# Altium PCB COPY_HIVE_BOARD.PcbDoc (part 3 of 9)
Units mm, origin at the board's own origin, x right, y up, seen from the top; angles counter-clockwise.
Board outline 110 x 110 mm, 8 copper layers (Top, GND_1, Signal_1, GND_2, PWR, Signal_2, GND_3, Bottom), stack 1.6 mm thick; 674 components, 473 nets, 2528 pads, 2100 vias.
Unrouted connection lines stored in the file: 14.
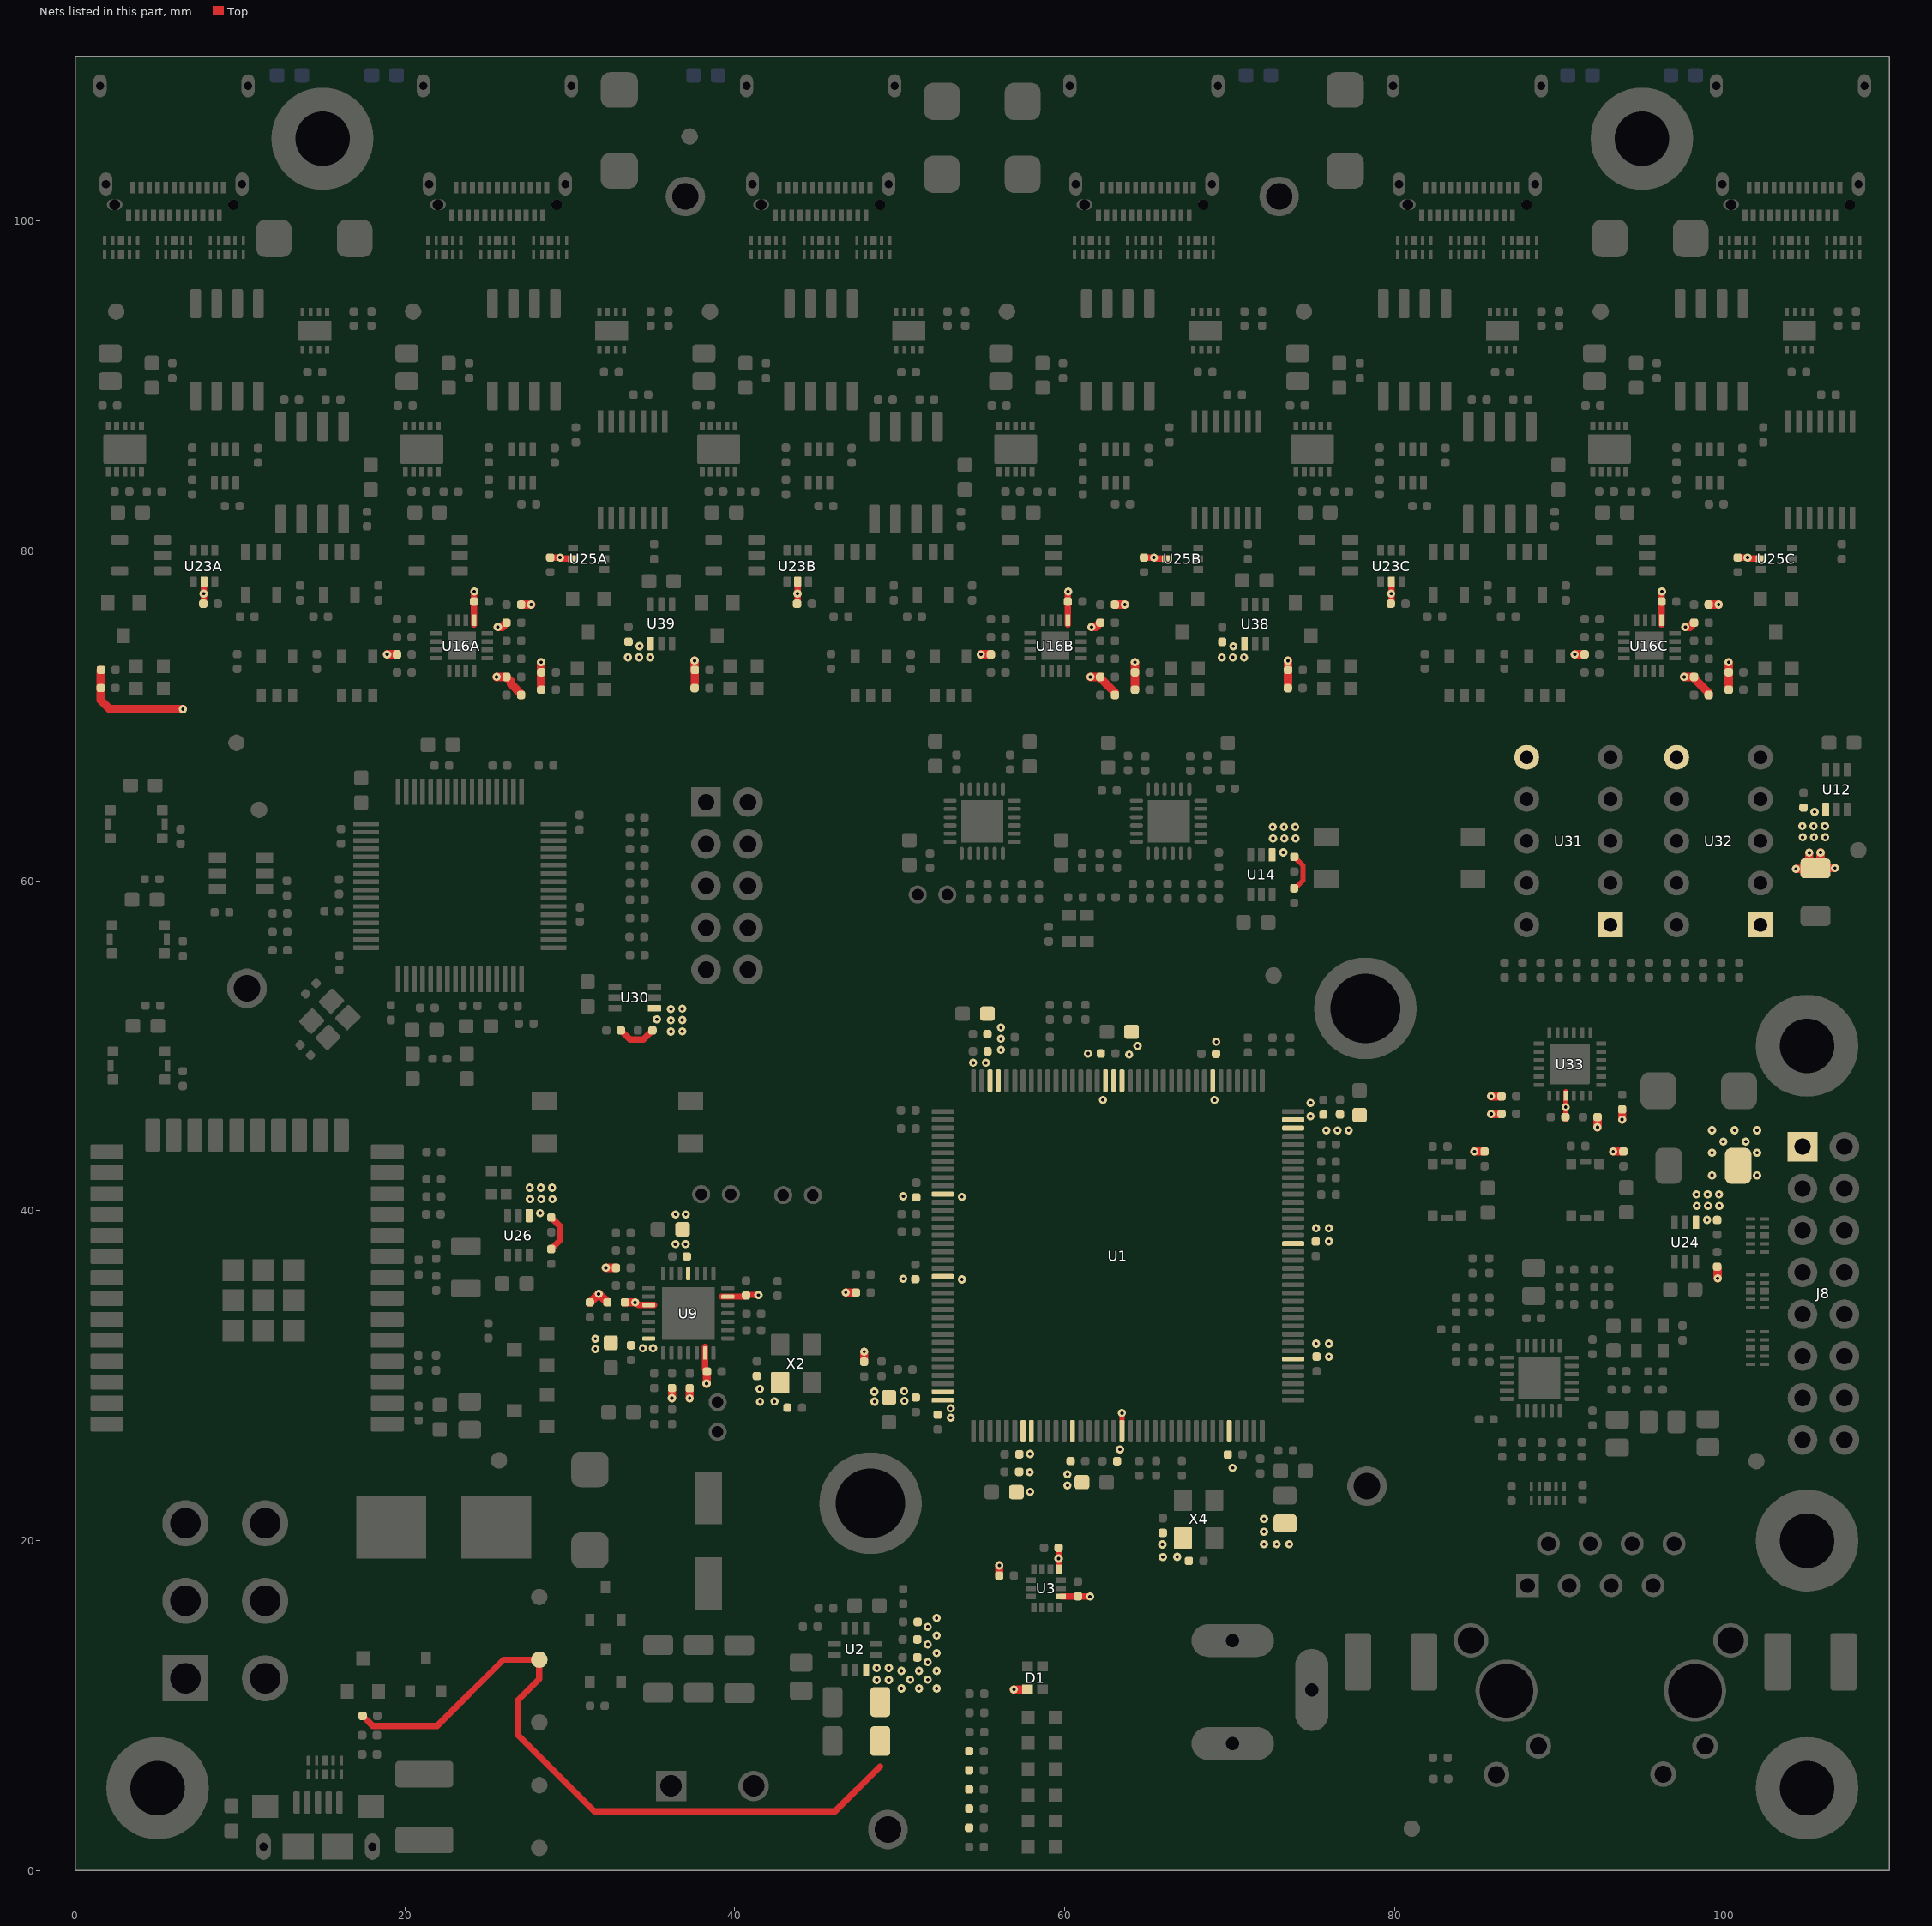
[diagram p9: the nets of this part, all layers, seen from the top]

## Footprints (in the part's own frame and the unit in brackets; to place one, negate y for a bottom-side part, rotate by r counter-clockwise, add the part's x,y. Pads: shape width x height; smd on the part's side, far side on the other; paste and mask are expansions set on the pad) (continued)
POW_NIS6150MT1TXG [mm] "SON, 10-Leads, Body 3.00x3.00mm, Pitch 0.50mm, Thermal Pad 2.00x1.20mm, IPC Medium Density"
  rrect20% 0.54x0.3 smd paste-0.025 mask+0.048: 1(-1.385,1) 2(-1.385,0.5) 3(-1.385,0) 4(-1.385,-0.5) 5(-1.385,-1) 6(1.385,-1) 7(1.385,-0.5) 8(1.385,0) 9(1.385,0.5) 10(1.385,1)
  rrect10% 1.8x2.6 smd paste-2 mask+0.05: 11(0,0)
  silkscreen extent -1.9,-1.64 1.63,1.64, body extent -1.55,-1.55 1.55,1.55, height 0.8
REG_SWR_RPL-3.0-CT [mm]
  rect 0.75x0.35 smd paste-0.025 mask+0.07: 1(-1.25,0.325) 2(-1.25,-0.325) 6(1.25,-0.325) 7(1.25,0.325)
  rect 0.35x0.75 smd paste-0.025 mask+0.07: 3(-0.65,-1.25) 4(0,-1.25) 5(0.65,-1.25) 8(0.65,1.25) 9(0,1.25) 10(-0.65,1.25)
  silkscreen extent -1.94,-1.62 1.63,1.63, body extent -1.55,-1.55 1.55,1.55, height 1.5
RES_0402 [mil] "Resistor - 0402"
  rrect60% 20x20 smd paste+0 mask+1.97: 1(-17.5,0) 2(17.5,0)
  silkscreen extent -34,-17 34,17, body extent -20,-10 20,10, height 13
RES_0603 [mil] "Resistor - 0603"
  rrect35% 35x34 smd paste+0 mask+1.97: 1(-29.5,0) 2(29.5,0)
  silkscreen extent -54,-24 54,24, body extent -31,-16 32,16, height 17
SEN_IMU_LSM6DSMTR [mm]
  rect 0.575x0.35 smd paste-0.025 mask+0.022: 1(1.162,-0.75) 2(1.162,-0.25) 3(1.162,0.25) 4(1.162,0.75) 8(-1.163,0.75) 9(-1.163,0.25) 10(-1.163,-0.25) 11(-1.163,-0.75)
  rect 0.35x0.575 smd paste-0.025 mask+0.022: 5(0.5,0.913) 6(0,0.913) 7(-0.5,0.913) 12(-0.5,-0.913) 13(0,-0.913) 14(0.5,-0.913)
  silkscreen extent -1.55,-1.27 1.85,1.28, body extent -1.5,-1.25 1.5,1.25, height 0.86
SWI_500SDP1S1M2QEA [mm]
  rect 2.8x2.8 hole 1.85: 1(-4.7,2.415)
  round 2.8 hole 1.85: 2(0,2.415) 3(4.7,2.415) 4(-4.7,-2.415) 5(0,-2.415) 6(4.7,-2.415)
  silkscreen extent -6.45,-5.82 6.45,6.35, body extent -6.35,-5.71 6.35,5.72, height 14.2
SWI_A6S-2104-H [mm] "SOP, 4-Leads, Body 6,02x6,20mm, Pitch 2,54mm, IPC Medium Density"
  rect 1.5x1.1 smd paste-0.025 mask+0.07: 1(-4.45,1.27) 2(-4.45,-1.27) 3(4.45,-1.27) 4(4.45,1.27)
  silkscreen extent -4.55,-3.1 3.3,3.1, body extent -4.9,-3.1 4.9,3.1, height 3.7
SWI_TACT_435171014816 [mm]
  rrect20% 0.65x0.6 smd paste+0 mask+0.05: 1(-1.575,0.85) 2(1.575,0.85) 3(-1.575,-0.85) 4(1.575,-0.85)
  rrect20% 0.35x0.7 smd paste+0 mask+0.05: 5(-1.725,0) 6(1.725,0)
  silkscreen extent -1.73,-1.55 1.73,1.55, body extent -1.65,-1.45 1.65,1.45, height 1.4
THE_HS_ATS-CPX025025015-138-C2-R0_NOMH [mm] "25x25x15mm Heatsink"
  body extent -18.99,-18.99 18.99,18.99, height 17.1
TIM_FAN_SI53342-B-GM [mm] "QFN24"
  oval 0.8x0.25 smd paste+0 mask+0.07: 1(-1.95,1.25) 2(-1.95,0.75) 3(-1.95,0.25) 4(-1.95,-0.25) 5(-1.95,-0.75) 6(-1.95,-1.25) 13(1.95,-1.25) 14(1.95,-0.75) 15(1.95,-0.25) 16(1.95,0.25) 17(1.95,0.75) 18(1.95,1.25)
  oval 0.25x0.8 smd paste+0 mask+0.07: 7(-1.25,-1.95) 8(-0.75,-1.95) 9(-0.25,-1.95) 10(0.25,-1.95) 11(0.75,-1.95) 12(1.25,-1.95) 19(1.25,1.95) 20(0.75,1.95) 21(0.25,1.95) 22(-0.25,1.95) 23(-0.75,1.95) 24(-1.25,1.95)
  rect 2.55x2.55 smd paste-2.55 mask+0.05: 25(0,0)
  silkscreen extent -2.78,-2.2 2.2,2.2, body extent -2.05,-2.05 2.05,2.05, height 0.9
TPO_5011 [mm]
  round 2.4 hole 1.6: 1(0,0)
  silkscreen extent -1.67,-1.68 1.68,1.68, body extent -1.59,-1.59 1.59,1.59, height 8.13
TPO_SMD_ROUND_1MM [mm] "Test Point - SMD ROUND PAD ONLY"
  round 1 smd paste-2 mask+0.07: 1(0,0)
  silkscreen extent -0.7,-0.7 0.7,0.7, body extent -0.4,-0.4 0.4,0.4
TPO_TH_ROUND_0.7mm_DOUBLE [mm] "Double via TP"
  round 1.1 hole 0.7 mask+0.07: 1(-0.9,0) 2(0.9,0)
  silkscreen extent -1.7,-0.8 1.7,0.8
TRX_NMOS_BSS138LT1G [mm] "SOT23, 3-Leads, Body 2,92x2,37mm, Pitch 0,85mm, IPC Medium Density"
  rect 0.9x0.8 smd paste-0.025 mask+0.07: 1(-1,0.95) 2(-1,-0.95) 3(1,0)
  silkscreen extent -0.3,-1.6 0.8,1.6, body extent -1.32,-1.52 1.32,1.52, height 1.11
TRX_PMOS_SI2369DS-T1-GE3 [mm]
  rect 0.724x0.559 smd paste-0.025 mask+0.07: 1(-0.984,0.95) 2(-0.984,-0.95) 3(0.984,0)
  silkscreen extent -1.11,-1.63 0.81,1.9, body extent -1.32,-1.52 1.32,1.52, height 1.12
TVS_DATA_DT1140-04LP-7 [mm] "SON, 10-Leads, Body 2,51x1,01mm, Pitch 0,50mm, IPC Medium Density"
  rrect30% 0.565x0.2 smd paste+0 mask+0.05: 1(-0.417,1) 2(-0.417,0.5) 4(-0.417,-0.5) 5(-0.417,-1) 6(0.417,-1) 7(0.417,-0.5) 9(0.417,0.5) 10(0.417,1)
  rrect16% 0.565x0.4 smd paste-4 mask+0.05: 3(-0.417,0) 8(0.417,0)
  silkscreen extent -0.95,-1.4 0.54,1.45, body extent -0.57,-1.29 0.57,1.29, height 0.61
TVS_POW_SMLVT3V3 [mm] "Molded Diode, 2-Leads, Body 4,40x3,62mm, IPC Medium Density"
  rrect50% 1.62x2.18 smd paste-0.025 mask+0.07: A(2.11,0) K(-2.11,0)
  silkscreen extent -2.5,-2.18 2.5,2.18, body extent -2.6,-1.97 2.6,1.97, height 2.61
TVS_PWR_SMBJ5.0CA [mm] "Molded Diode, 2-Leads, Body 4,40x3,62mm, IPC Medium Density"
  rrect50% 2.16x2.26 smd paste-0.025 mask+0.07: 1(-2.45,0) 2(2.45,0)
  silkscreen extent -2.5,-2.1 2.5,2.1, body extent -2.6,-1.97 2.6,1.97, height 2.61
USB_USB2412-DZK [mm] "QFN 28(5x5)"
  rrect50% 0.8x0.25 smd paste-0.025 mask+0.05: 1(-2.4,1.524) 2(-2.4,1.016) 3(-2.4,0.508) 4(-2.4,0) 5(-2.4,-0.508) 6(-2.4,-1.016) 7(-2.4,-1.524) 15(2.4,-1.524) 16(2.4,-1.016) 17(2.4,-0.508) 18(2.4,0) 19(2.4,0.508) 20(2.4,1.016) 21(2.4,1.524)
  rrect50% 0.25x0.8 smd paste-0.025 mask+0.05: 8(-1.524,-2.4) 9(-1.016,-2.4) 10(-0.508,-2.4) 11(0,-2.4) 12(0.508,-2.4) 13(1.016,-2.4) 14(1.524,-2.4) 22(1.524,2.4) 23(1.016,2.4) 24(0.508,2.4) 25(0,2.4) 26(-0.508,2.4) 27(-1.016,2.4) 28(-1.524,2.4)
  rect 3.2x3.2 smd paste-1.587 mask+0.07: 29(0,0)
  silkscreen extent -3.05,-2.6 2.6,2.6, body extent -2.55,-2.55 2.55,2.55, height 1.4

## Part data
C1 C2 C3 C5 C7 C8 C9 C10 C12 C13 C14 C15 C16 C17 C18 C19 C23 C24 C25 C27 C34 C39 C40 C42 C43 C44 C45 C46 C47 C48 C49 C51 C53 C55 C57 C58 C64 C65 C69 C70 C71 C72 C77 C78 C79 C80 C82 C84 C94 C95 C96 C97 C104 C106 C110A C110B C110C C113A C113B C113C C117A C117B C117C C120A C120B C120C C124A C124B C124C C128A C128B C128C C129 C130 C133A C133B C133C C135 C136 C140A C140B C140C C142 C150A C150B C150C C151A C151B C151C C152 C154: library part CAP_CER_CGA2B3X7R1E104K050BB, "CAP - CER 0.1µF 10% 25V X7R - 0402", Manufacturer #1="TDK Corporation", Package=0402, Supplier Part Number 1=445-6902-1-ND, Temperature="-55°C ~ 125°C", Tolerance=10%, Voltage Rating=25V, Assembly Type=SMD, CreatedBy/Date="Nicolas Roy 2018-11-07", Cryo=UNKNOWN, GRAMS Lib Spec=2.8, HelpURL=https://product.tdk.com/info/en/catalog/datasheets/mlcc_automotive_general_en.pdf, Magnetic Material=Unknown, Part Number #1=CGA2B3X7R1E104K050BB, Polarized=NO, Supplier 1=Digi-Key, VerifiedBy="Nicolas V. (2019-01-22)"
C4 C6 C30 C37 C38 C54 C63 C68 C86 C87 C90 C91 C100 C105 C107 C131 C132 C143 C144: library part CAP_CER_C0603C105K8PACTU, "CAP - CER 1uF 10V 10% X5R - 0603", Manufacturer #1=KEMET, Package=0603, Supplier Part Number 1=399-3118-1-ND, Temperature="-55°C ~ 85°C", Tolerance=10%, Voltage Rating=10V, Assembly Type=SMD, CreatedBy/Date="Hubert Dube - 21/07/20", Cryo=UNKNOWN, GRAMS Lib Spec=2.8, HelpURL=https://content.kemet.com/datasheets/KEM_C1006_X5R_SMD.pdf, Magnetic Material=Unknown, Part Number #1=C0603C105K8PACTU, Polarized=NO, Supplier 1=Digi-Key, VerifiedBy="Louis-Daniel Gaulin - 21/07/20"
C11 C20 C21 C22 C81 C83 C123: library part CAP_CER_CL10A475MA8NQNC, "CAP - CER 4.7µF 20% 25V X5R - 0603", Manufacturer #1="Samsung Electro-Mechanics", Package=0603, Supplier Part Number 1=1276-1903-1-ND, Temperature="-55°C ~ 85°C", Tolerance=20%, Voltage Rating=25V, Assembly Type=SMD, CreatedBy/Date="Nicolas Roy 2018-11-21", Cryo=UNKNOWN, GRAMS Lib Spec=2.8, HelpURL=http://www.samsungsem.com/kr/support/product-search/mlcc/__icsFiles/afieldfile/2018/06/20/CL10A475MA8NQNC.pdf, Magnetic Material=Unknown, Part Number #1=CL10A475MA8NQNC, Polarized=NO, Supplier 1=Digi-Key, VerifiedBy="Nicolas V. (2019-01-22)"
C26: library part CAP_CER_CL05C390JB51PNC, "CAP - CER 39 pF 5% 50V COG/NP0 - 0402", Manufacturer #1="Samsung Electro-Mechanics", Package=0402, Supplier Part Number 1=1276-6863-1-ND, Temperature="-55°C ~ 125°C", Tolerance=5%, Voltage Rating=50V, Assembly Type=SMD, CreatedBy/Date="Louis-Daniel Gaulin / 11-04-2021", Cryo=UNKNOWN, GRAMS Lib Spec=2.8, HelpURL=https://www.samsungsem.com/resources/file/global/support/product_catalog/MLCC.pdf, Magnetic Material=Unknown, Part Number #1=CL05C390JB51PNC, Polarized=NO, Supplier 1=Digi-Key, VerifiedBy="Philippe Arsenault/2021-04-14"
C28 C29 C31: library part CAP_CER_C1005X5R1V225K050BC, "CAP - CER 2.2µF 10% 35V X5R - 0402", Manufacturer #1="TDK Corporation", Package=0402, Supplier Part Number 1=445-9028-1-ND, Temperature="-55°C ~ 85°C", Tolerance=10%, Voltage Rating=35V, Assembly Type=SMD, CreatedBy/Date="Nicolas Roy 2018-10-17", Cryo=UNKNOWN, GRAMS Lib Spec=2.8, HelpURL=https://product.tdk.com/info/en/catalog/datasheets/mlcc_commercial_general_en.pdf, Magnetic Material=Unknown, Part Number #1=C1005X5R1V225K050BC, Polarized=NO, Supplier 1=Digi-Key, VerifiedBy="Caroline Paulin - 18 janv 2018"
C32 C33 C36 C76 C85 C148: library part CAP_CER_CL31A226KAHNNNE, "CAP - CER 22uF 10% 25V X5R - 1206", Manufacturer #1="Samsung Electro-Mechanics", Package=1206, Part Number #2=1276-3047-1-ND, Temperature="-55°C ~ 85°C", Tolerance=10%, Voltage Rating=25V, Assembly Type=SMD, CreatedBy/Date="Philippe Arsenault/21 Janvier 2020", Cryo=UNKNOWN, GRAMS Lib Spec=2.8, HelpURL=http://www.samsungsem.com/global/support/product-search/mlcc/1207445_4880.html, Magnetic Material=Unknown, Part Number #1=CL31A226KAHNNNE, Polarized=NO, Supplier 1=Digi-Key, Supplier Part Number 1=1276-3047-1-ND, VerifiedBy="C.Paulin - 28/01/2020"
C35 C50 C52 C59 C62 C127A C127B C127C C141A C141B C141C: library part CAP_CER_LMK212BJ106KG-T, "CAP - CER 10UF 10% 10V X5R - 0805", Manufacturer #1="Taiyo Yuden", Package=0805, Supplier Part Number 1=587-1300-1-ND, Temperature="-55°C ~ 85°C", Tolerance=10%, Voltage Rating=10V, Assembly Type=SMD, CreatedBy/Date="Caroline Paulin / 25 juillet 2018", Cryo=UNKNOWN, GRAMS Lib Spec=2.8, HelpURL=https://www.yuden.co.jp/productdata/catalog/mlcc_all_e.pdf, Magnetic Material=Unknown, Part Number #1=LMK212BJ106KG-T, Polarized=NO, Supplier 1=Digi-Key, VerifiedBy="Nicolas V. (2019-01-22)"
C41 C111A C111B C111C C112 C114A C114B C114C C116 C121A C121B C121C C134 C137 C138 C139A C139B C139C C145A C145B C145C C153 C155: library part CAP_CER_CL10A475KP8NNNC, "4.7µF ±10% 10V Ceramic Capacitor X5R 0603", Manufacturer #1="Samsung Electro-Mechanics", Package=0603, Supplier Part Number 1=1276-1044-1-ND, Temperature="-55°C ~ 85°C", Tolerance=10%, Voltage Rating=10V, Assembly Type=SMD, CreatedBy/Date="Hubert Dube - 25/02/2021", Cryo=UNKNOWN, GRAMS Lib Spec=2.8, HelpURL=https://www.samsungsem.com/resources/file/global/support/product_catalog/MLCC.pdf, Magnetic Material=Unknown, Part Number #1=CL10A475KP8NNNC, Polarized=No, Supplier 1=Digi-Key, VerifiedBy="Philippe Arsenault/2021-03-14"
C56: library part CAP_CER_CC0402KRX7R9BB471, "CAP - CER 470pF 10% 50V X7R - 0402", Manufacturer #1=Yageo, Package=0402, Supplier Part Number 1=311-1028-1-ND, Temperature="-55°C ~ 125°C", Tolerance=10%, Voltage Rating=50V, Assembly Type=SMD, CreatedBy/Date="Nicolas Roy 2018-10-17", Cryo=UNKNOWN, GRAMS Lib Spec=2.8, HelpURL=http://www.yageo.com/documents/recent/UPY-GPHC_X7R_6.3V-to-50V_18.pdf, Magnetic Material=Unknown, Part Number #1=CC0402KRX7R9BB471, Polarized=NO, Supplier 1=Digi-Key, VerifiedBy="Caroline Paulin - 18 janv 2019"
C60 C61 C149: library part CAP_CER_885342211009, "CAP - CER 1000pF ±10% 3000V X7R", Manufacturer #1="Würth Elektronik", Package=1812, Supplier Part Number 1=732-12109-1-ND, Temperature="-55°C ~ 125°C", Tolerance=10%, Voltage Rating=3kV, Assembly Type=SMD, CreatedBy/Date="Hubert Dube - 03/02/2021", Cryo=UNKNOWN, GRAMS Lib Spec=2.8, HelpURL=https://www.we-online.de/katalog/datasheet/885342211009.pdf, Magnetic Material=Unknown, Part Number #1=885342211009, Polarized=No, Supplier 1=Digi-Key, VerifiedBy="Philippe Asenault - 08-02-2021"
  C149: Assembly Note=DNI
C66 C67: library part CAP_CER_CC0402DRNPO9BN8R0, "CAP - CER 8PF 50V C0G/NP0 - 0402", Manufacturer #1=Yageo, Package=0402, Supplier Part Number 1=311-1639-1-ND, Temperature="-55°C ~ 125°C", Tolerance=±0.5pF, Voltage Rating=50V, Assembly Type=SMD, CreatedBy/Date="Hubert Dube - 04/10/20", Cryo=UNKNOWN, GRAMS Lib Spec=2.8, HelpURL=https://www.yageo.com/upload/media/product/productsearch/datasheet/mlcc/UPY-GP_NP0_16V-to-50V_18.pdf, Magnetic Material=Unknown, Part Number #1=CC0402DRNPO9BN8R0, Polarized=NO, Supplier 1=Digi-Key, VerifiedBy="Louis-Daniel Gaulin - 09/11/2020"
C73: library part CAP_CER_C1608X5R1C335K080AC, "CAP - CER 3.3µF ±10% 16V Ceramic Capacitor X5R 0603 (1608 Metric)", Manufacturer #1="TDK Corporation", Package=0603, Supplier Part Number 1=445-7476-1-ND, Temperature="-55°C ~ 85°C", Tolerance=10%, Voltage Rating=16V, Assembly Type=SMD, CreatedBy/Date="Hubert Dube - 16/03/2021", Cryo=UNKNOWN, GRAMS Lib Spec=2.8, HelpURL=https://product.tdk.com/en/system/files?file=dam/doc/product/capacitor/ceramic/mlcc/catalog/mlcc_commercial_general_en.pdf, Magnetic Material=Unknown, Part Number #1=C1608X5R1C335K080AC, Polarized=No, Supplier 1=Digi-Key, VerifiedBy="Philippe Arsenault - 2021/03/16"
C74 C75: library part CAP_CER_CC0402JRNPO9BN120, "CAP - CER 12pF 50V ±5% C0G, NP0 - 0402", Manufacturer #1=Yageo, Package=0402, Supplier Part Number 1=311-1016-1-ND, Temperature="-55°C ~ 125°C", Tolerance=±5%, Voltage Rating=50V, Assembly Type=SMD, CreatedBy/Date="Philippe Arsenault/ 2020-07-24", Cryo=UNKNOWN, GRAMS Lib Spec=2.8, HelpURL=https://www.yageo.com/upload/media/product/productsearch/datasheet/mlcc/UPY-GP_NP0_16V-to-50V_18.pdf, Magnetic Material=Unknown, Part Number #1=CC0402JRNPO9BN120, Polarized=NO, Supplier 1=Digi-Key, VerifiedBy="Louis-Daniel Gaulin / 2020-07-29"
C88 C89 C98 C99 C102 C103 C108A C108B C108C C125A C125B C125C: library part CAP_CER_GRM155R71E473KA88J, "CAP - CER 47nF 25V X7R - 0402", Manufacturer #1=MURATA, Package=0402, Supplier Part Number 1=490-6347-1-ND, Temperature="-55°C ~ 125°C", Tolerance=10%, Voltage Rating=25V, Assembly Type=SMD, CreatedBy/Date="P. Marcoux 2020-02-05", Cryo=UNKNOWN, GRAMS Lib Spec=2.8c, HelpURL=https://ds.murata.co.jp/simsurfing/mlcc.html?partnumbers=%5B%22GRM155R71E473KA88%22%5D&oripartnumbers=%5B%22GRM155R71E473KA88J%22%5D&rgear=jomoqke&rgearinfo=ca, Magnetic Material=Unknown, Part Number #1=GRM155R71E473KA88J, Polarized=No, Supplier 1=Digi-Key, VerifiedBy="C.Paulin - 22/04/2020"
C92 C93 C101 C109A C109B C109C C126A C126B C126C: library part CAP_CER_CL05B472KB5VPNC, "CAP - CER 4700PF 50V X7R 0402", Manufacturer #1="Samsung Electro-Mechanics", Package=0402, Supplier Part Number 1=1276-6576-1-ND, Temperature="-55°C ~ 125°C", Tolerance=±10%, Voltage Rating=50V, Assembly Type=SMD, CreatedBy/Date="Philippe Arsenault/ 2021-03-26", Cryo=UNKNOWN, GRAMS Lib Spec=2.8, HelpURL=https://www.samsungsem.com/resources/file/global/support/product_catalog/MLCC.pdf, Magnetic Material=Unknown, Part Number #1=CL05B472KB5VPNC, Polarized=NO, Supplier 1=Digi-Key
C115A C115B C115C C118A C118B C118C C119A C119B C119C C122A C122B C122C C146A C146B C146C: library part CAP_CER_JMK105B7474KVHF, "CAP - CER 470nF 6.3V X7R - 0402", Manufacturer #1="Taiyo Yuden", Package=0402, Supplier Part Number 1=587-3765-1-ND, Temperature="-55°C ~ 125°C", Tolerance=10%, Voltage Rating=6.3V, Assembly Type=SMD, CreatedBy/Date="Nicolas (2019-06-21)", Cryo=UNKNOWN, GRAMS Lib Spec=2.8, HelpURL=https://ds.yuden.co.jp/TYCOMPAS/ut/detail?pn=JMK105B7474KVHF%20&u=M, Magnetic Material=UNKNOWN, Part Number #1=JMK105B7474KVHF, Polarized=NO, Supplier 1=Digi-Key, VerifiedBy="Nicolas V. (2019-06-21)"
C147: library part CAP_POLY_APXG160ARA221MF80G, "CAP - POLY 220uF 20% 16V - SMD 6.3mm D x 8mm H", Current Rating=3.3A, Manufacturer #1="United Chemi-Con", Package="Radial, Can - SMD", Supplier Part Number 1=565-4283-1-ND, Temperature="-55°C ~ 105°C", Tolerance=20%, Voltage Rating=16V, Assembly Type=SMD, CreatedBy/Date="Joel Lemay 2018-08-21", Cryo=UNKNOWN, GRAMS Lib Spec=2.8, HelpURL=http://www.chemi-con.co.jp/cgi-bin/CAT_DB/SEARCH/cat_db_al.cgi?e=e&j=p&pdfname=pxg, Magnetic Material=Unknown, Part Number #1=APXG160ARA221MF80G, Polarized=Yes, Supplier 1=Digi-Key, VerifiedBy="Caroline Paulin - 7 sept 2018"
D1 D13: library part DIO_EAST1616RGBA3, "DIO - Red, Green, Blue LED Indication - Discrete 1.95V Red, 2.8V Green, 2.8V Blue 0606 (1616 Metric)", Current Rating=60mA, Manufacturer #1="Everlight Electronics Co Ltd", Package="4-SMD, No Lead", Power Max=60mW, Supplier Part Number 1=1080-1550-1-ND, Temperature="-40 ~ +85℃", Tolerance=±50ppm, Voltage Rating="1.8 to 3.3V", Assembly Type=SMD, CreatedBy/Date="Hubert Dube - 26/02/2021", Cryo=UNKNOWN, GRAMS Lib Spec=2.8, HelpURL=https://everlightamericas.com/index.php?controller=attachment&id_attachment=1010, Magnetic Material=Unknown, Part Number #1=EAST1616RGBA3, Polarized=Yes, Supplier 1=Digi-Key, VerifiedBy="PA + Hubert Dube - 19/03/2021"
D2 D5: library part DIO_ZENER_BZX84-B4V3,215, "DIO - ZENER 4.3V 250mW - SOT-23", Current Rating="200mA foward", Manufacturer #1="Nexperia USA Inc.", Manufacturer #2=-, Package=SOT-23, Power Max=250mW, Supplier Part Number 1=1727-1669-1-ND, Temperature="-65°C ~ 150°C", Tolerance=2%, Voltage Rating=4.3V, Assembly Type=SMD, CreatedBy/Date="Louis-Daniel Gaulin / 29-03-2021", Cryo=UNKNOWN, GRAMS Lib Spec=2.8c, HelpURL=https://assets.nexperia.com/documents/data-sheet/BZX84_SER.pdf, Magnetic Material=Unknown, Note=-, Part Number #1=BZX84-B4V3,215, Part Number #2=-, Polarized=Yes, Supplier 1=Digi-Key, VerifiedBy="Philippe Arsenault/ 2021-04-01"
D3 D11A D11B D11C D16A D16B D16C D27: library part TVS_PWR_SMBJ5.0CA, "TVS - BIDIR 5V 9.2V 600W - DO214AA", Current Rating="65.3 A (Ipp)", Manufacturer #1="Littelfuse Inc.", Package=DO214AA, Power Max="600W (Pppm)", Supplier Part Number 1=SMBJ5.0CALFCT-ND, Temperature="-65°C ~ 150°C (TJ)", Voltage Rating="5V Standoff", Assembly Type=SMD, CreatedBy/Date="Jonathan Bouchard - 2019-03-22", Cryo=UNKNOWN, GRAMS Lib Spec=2.8, HelpURL=http://www.littelfuse.com/~/media/electronics/datasheets/tvs_diodes/littelfuse_tvs_diode_smbj_datasheet.pdf.pdf, Magnetic Material=UNKNOWN, Part Number #1=SMBJ5.0CA, Polarized=NO, Supplier 1=Digi-Key, VerifiedBy="Nicolas V. (2019-05-06)"
D4 D6 D17A D17B D17C D19A D19B D19C D22 D23 D24 D25: library part LED_SML-D12P8WT86, "LED - GREEN DIFFUSED 0603 SMD - 0603", Current Rating=1-20mA, Manufacturer #1="Rohm Semiconductor", Package=0603, Supplier Part Number 1=511-1579-2-ND, Temperature="-40 ~ 85 °C", Voltage Rating="2.2V (Forward), 5V (max Reverse)", Assembly Type=SMD, CreatedBy/Date="Keven Deslandes - 2018/11/21", Cryo=UNKNOWN, GRAMS Lib Spec=2.8, HelpURL=https://d1d2qsbl8m0m72.cloudfront.net/en/products/databook/datasheet/opto/led/chip_mono/sml-d12x8_d13x8-e.pdf, Magnetic Material=Unknown, Note="Operate at 2mA", Part Number #1=SML-D12P8WT86, Polarized=Yes, Supplier 1=Digi-Key, VerifiedBy="Caroline Paulin - 13 février 2019"
D7 D8A D8B D8C D9A D9B D9C D10A D10B D10C D12 D15A D15B D15C D18A D18B D18C D21A D21B D21C D26 D29 D30: library part TVS_DATA_DT1140-04LP-7, "TVS - DIODE 5.5V 10V - 10-UFDFN", Current Rating="6A (8/20µs)", Manufacturer #1="Diodes Incorporated", Manufacturer #2=-, Package=10-UFDFN, Power Max="60W (8/20µs)", Supplier Part Number 1=DT1140-04LP-7DICT-ND, Temperature=-55°C~85°C, Voltage Rating="6V (Breakdown)", Assembly Type=SMD, CreatedBy/Date="Joël Lemay 2019-11-20", Cryo=UNKNOWN, GRAMS Lib Spec=2.8, HelpURL=https://www.diodes.com/assets/Datasheets/DT1140-04LP.pdf, Magnetic Material=UNKNOWN, Note="Fooprint created from tpd4e05u06 (TI) for manufacturability (soldermask)", Part Number #1=DT1140-04LP-7, Part Number #2=-, Polarized=Yes, Solder Paste Type=UNKNOWN, Stencil Thickness (Recommended)=UNKNOWN, Supplier 1=Digi-Key, Tolerance=-, VerifiedBy="C.Paulin - 21/11/2019"